# Altium PCB Plant.PcbDoc
Units mm, origin at the board's own origin, x right, y up, seen from the top; angles counter-clockwise.
Board outline 56.78 x 58.72 mm, 2 copper layers (Top Layer, Bottom Layer); 52 components, 39 nets, 186 pads, 102 vias.
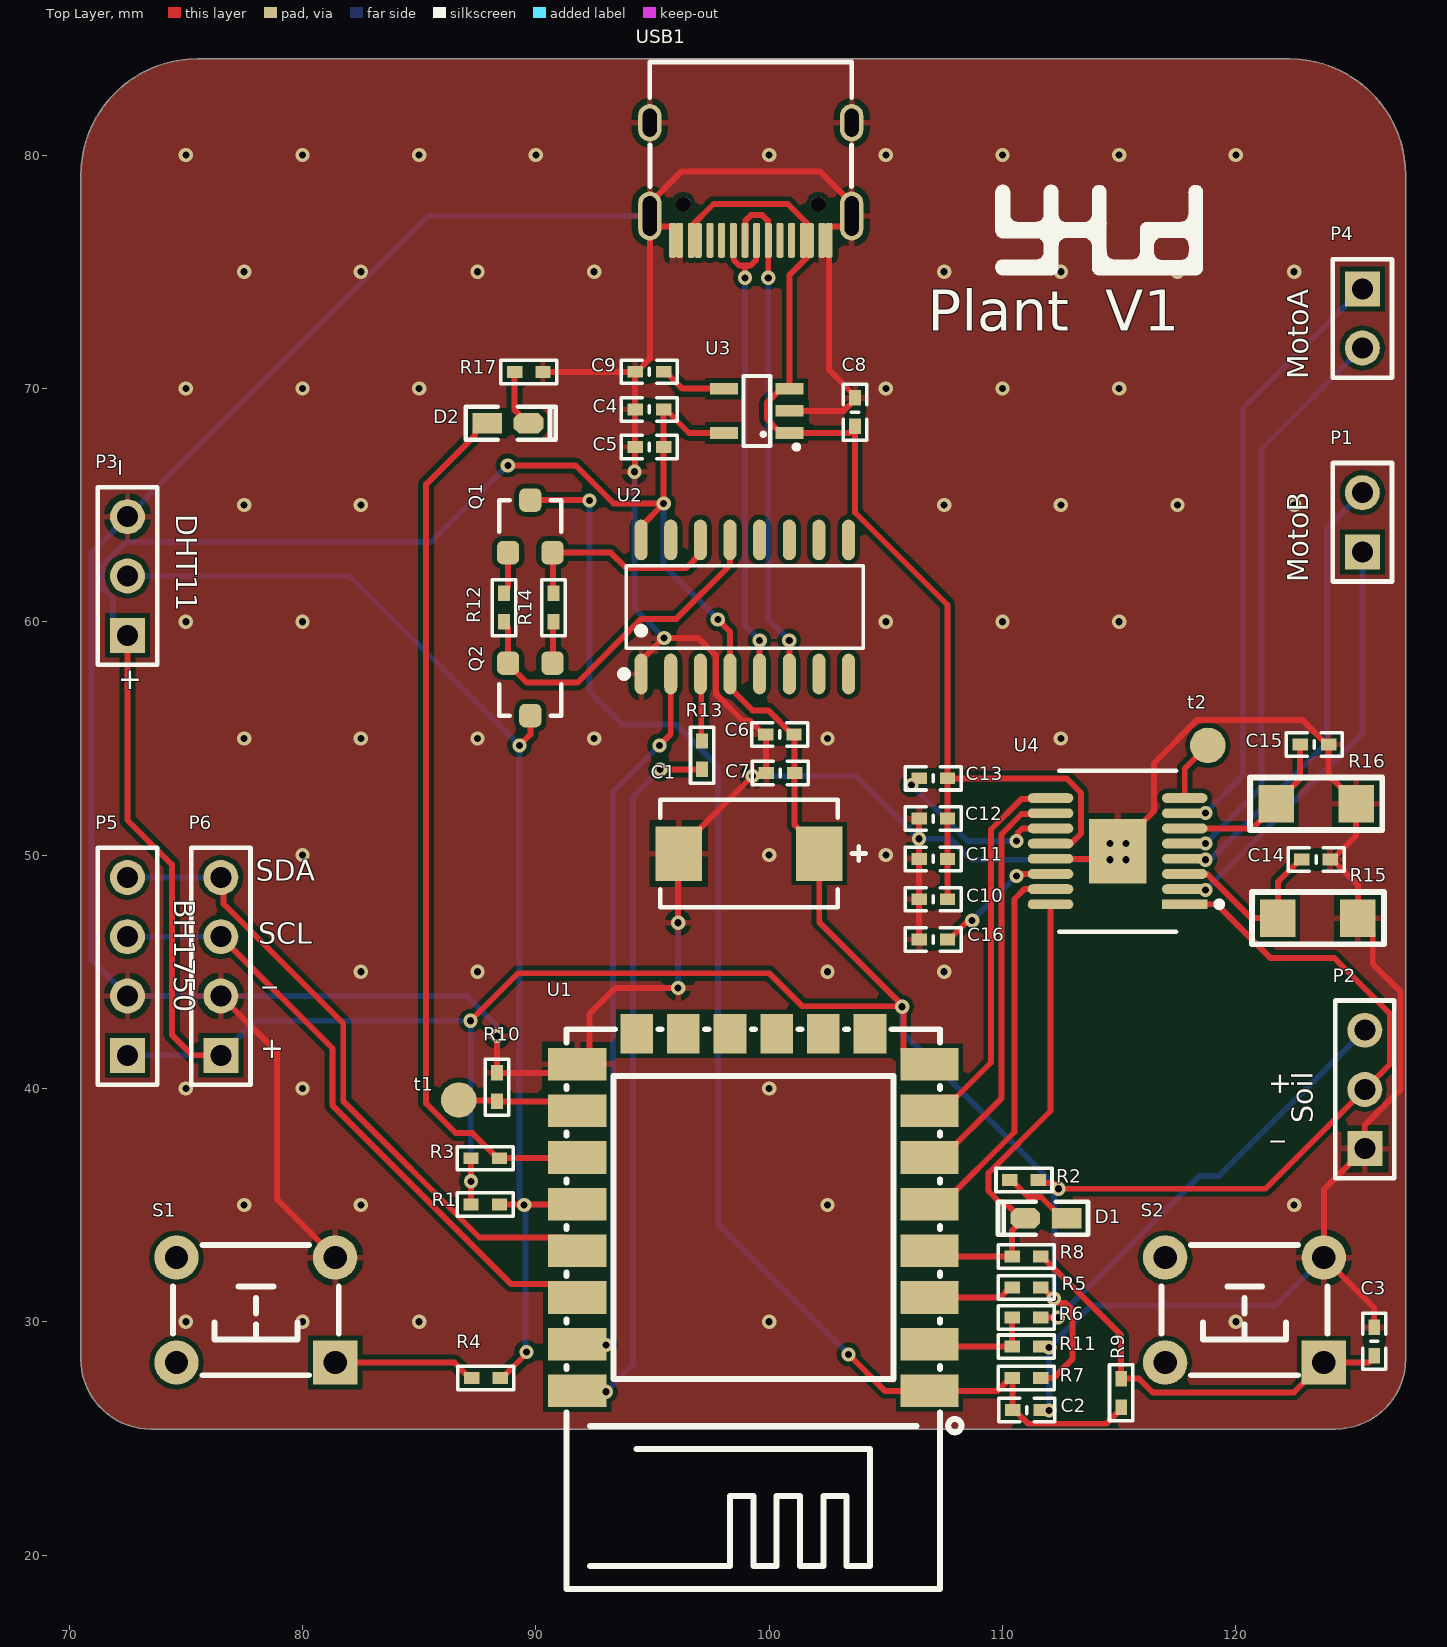
[diagram p0: Top Layer view]
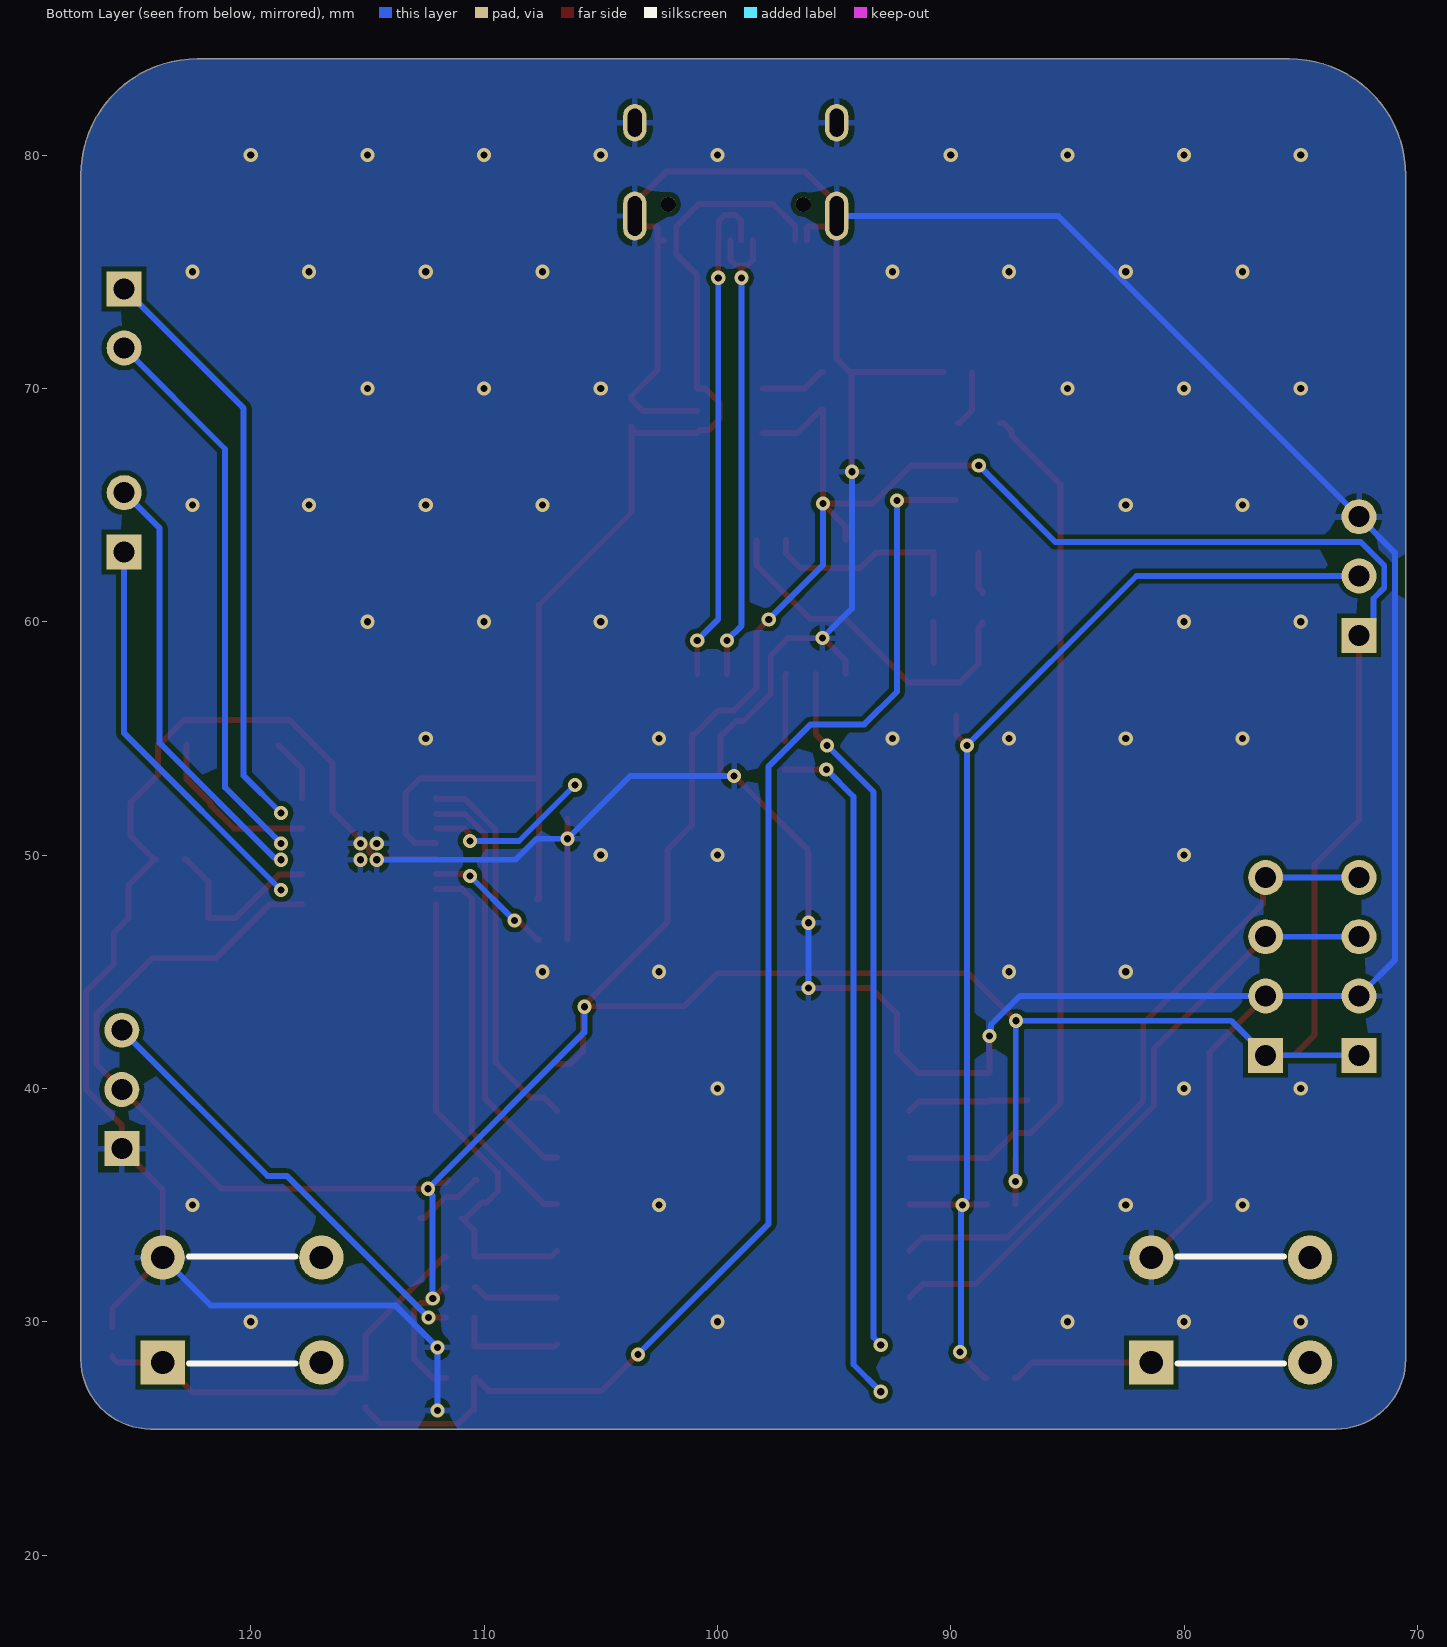
[diagram p1: Bottom Layer view, seen from below]
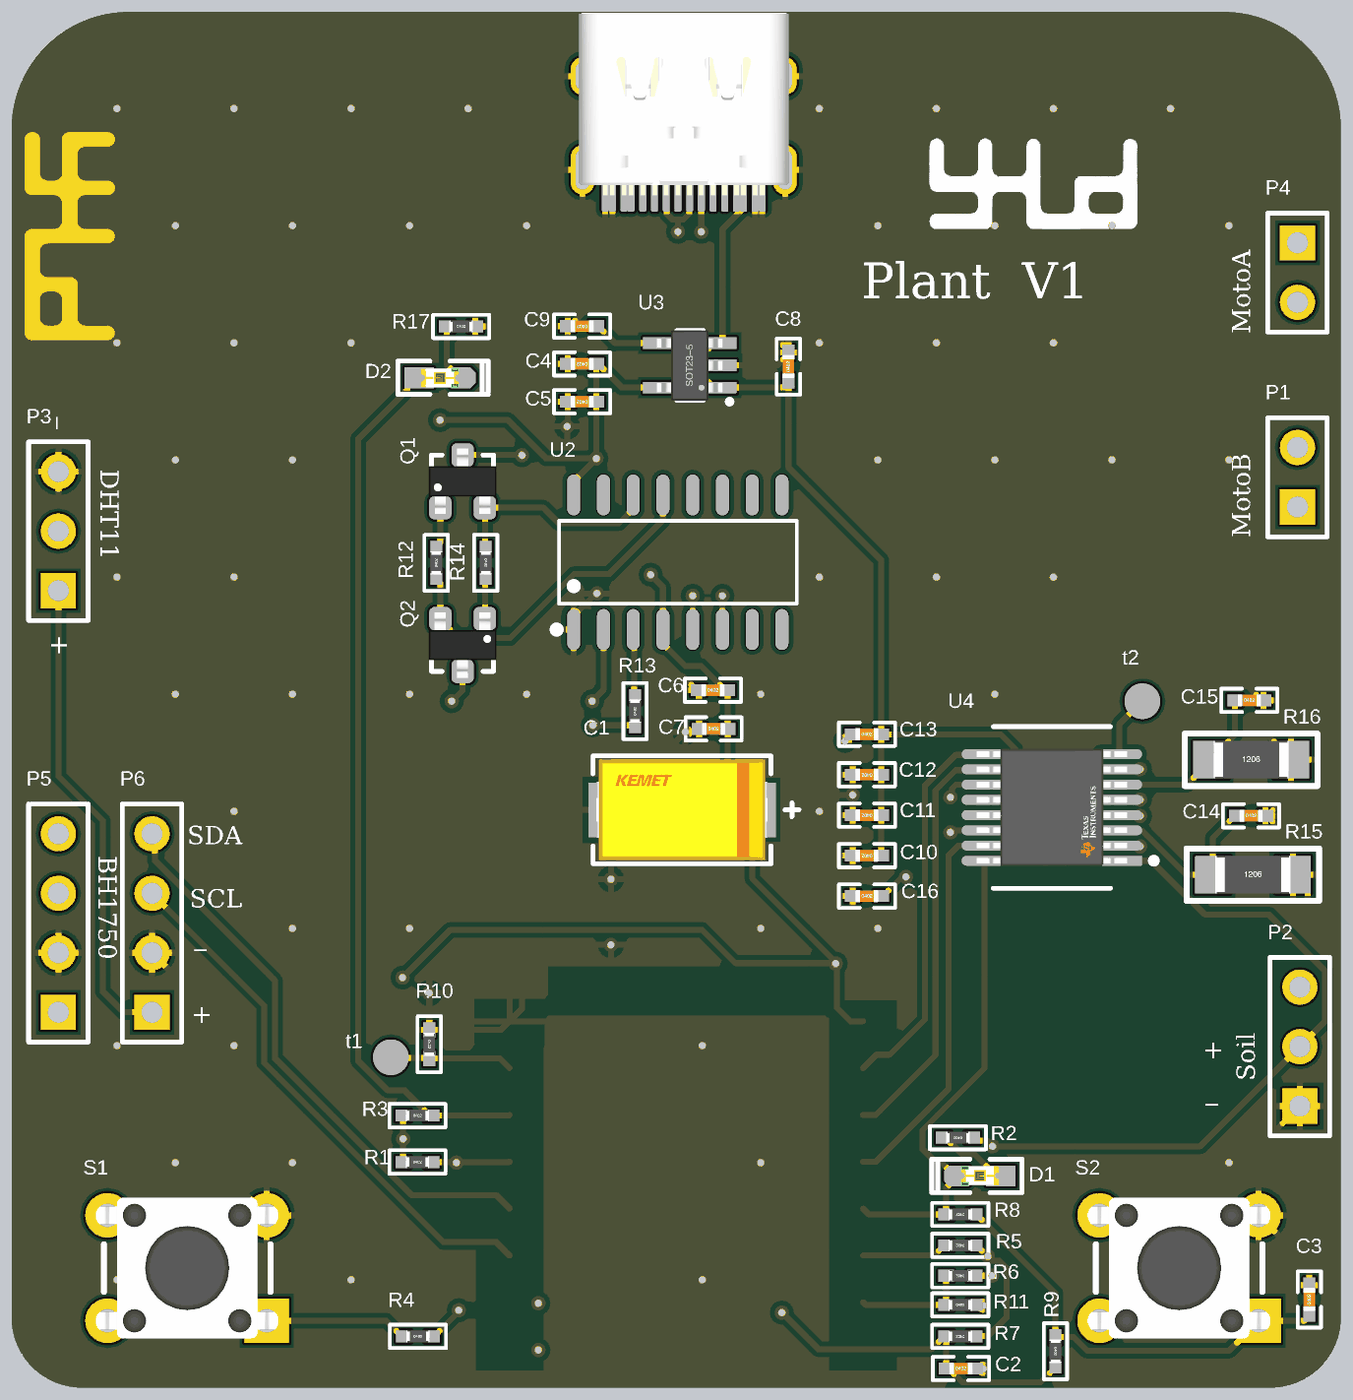
[diagram p2: 3D render of the assembled board from above, using the file's embedded part models]

## Layer stack, top to bottom
Top Solder: solder mask 0.0102, Solder Resist, Dk 3.5
Top Layer: signal copper 0.0356
Dielectric 1: dielectric 0.32, FR-4, Dk 4.8
Bottom Layer: signal copper 0.0356
Bottom Solder: solder mask 0.0102, Solder Resist, Dk 3.5

## Board outline
70.5,28.4 ccw(c73.5,28.4) 73.5,25.4 90.424,25.4 124.279,25.4 ccw(c124.279,28.4) 127.279,28.4 127.281,28.402 127.281,79.125 ccw(c122.281,79.125) 122.281,84.125 96.215,84.125 75.5,84.125 ccw(c75.5,79.125) 70.5,79.125

## Design rules (kind name [scope] priority, off if disabled: settings)
Clearance [All] p1: gap=0.203 ignorepadtopadclearanceinfootprint=TRUE
PolygonConnect [All] p1: connectstyle=Relief reliefconductorwidth=0.254 reliefentries=4 polygonreliefangle="90 Angle" airgapwidth=0.254
RoutingVias [All] p1: holewidth=0.711 width=1.27 viastyle="Through Hole" minholewidth=0.711 minwidth=1.27 maxholewidth=0.711 maxwidth=1.27
SolderMaskExpansion [All] p1: expansion=0.102 istentingtop=FALSE
Width [All] p1: maxlimit=0.254 minlimit=0.254 preferedwidth=0.254
30 further rules are at their usual default settings.

## Components (designator, comment, footprint, x,y, rotation, side; value= is the part's Value field where it differs from the comment)
C1 "100uF" FP-T495D107K016ATE125-MFG 99.136,50.063 r0 top
C2 "Cap" "C 0402_M" 111.049,26.213 r0 top value=470pF
C3 "Cap" "C 0402_M" 125.933,29.159 r90 top value=0.1uF
C4 "Cap" "C 0402_M" 94.869,69.101 r180 top value=0.1uF
C5 "Cap" "C 0402_M" 94.869,67.488 r180 top value=10uF
C6 "0402" "C 0402_M" 100.457,55.169 r0 top value=10uF
C7 "0402" "C 0402_M" 100.482,53.518 r0 top value=100nF
C8 "Cap" "C 0402_M" 103.683,68.986 r90 top value=1uF
C9 "Cap" "C 0402_M" 94.869,70.714 r180 top value=10nF
C10 "Cap" "C 0402_M" 107.036,48.108 r180 top value=100nF
C11 "Cap" "C 0402_M" 107.036,49.835 r180 top value=22uF
C12 "Cap" "C 0402_M" 107.036,51.562 r180 top value=22uF
C13 "Cap" "C 0402_M" 107.036,53.289 r0 top value=10nF
C14 "" "C 0402_M" 123.444,49.809 r0 top value=100nF
C15 "" "C 0402_M" 123.368,54.737 r0 top value=100nF
C16 "Cap" "C 0402_M" 107.036,46.38 r0 top value=4.7uF
D1 "LED0" "LED 0603R" 111.862,34.442 r180 top
D2 "LED0" "LED 0603R" 88.8,68.5 r0 top
P1 "Header 2" HDR1X2 125.425,62.992 r90 top
P2 "soil" HDR1X3 125.527,37.414 r90 top
P3 "DHT" HDR1X3 72.5,59.42 r90 top
P4 "Header 2" HDR1X2 125.425,74.27 r270 top
P5 "bh1750" HDR1X4 72.5,41.42 r90 top
P6 "bh1750" HDR1X4 76.5,41.42 r90 top (schematic designator P5)
Q1 "Y1 NPN SOT23-3" SMT_TRIODE_NPN 89.764,64.084 r0 top
Q2 "Y1 NPN SOT23-3" SMT_TRIODE_NPN 89.764,57.099 r180 top
R1 "0402" "R 0402_M" 87.833,35.027 r0 top value=10K
R2 "Res2" "R 0402_M" 110.922,36.068 r180 top value=470R
R3 "0402" "R 0402_M" 87.833,37.008 r0 top value=10K
R4 "Res2" "R 0402_M" 87.859,27.584 r0 top value=470R
R5 "0402" "R 0402_M" 111.023,31.471 r180 top value=10K
R6 "Res2" "R 0402_M" 111.023,30.175 r180 top value=220K
R7 "0402" "R 0402_M" 111.023,27.584 r180 top value=10K
R8 "Res2" "R 0402_M" 111.023,32.791 r180 top value=470R
R9 "Res2" "R 0402_M" 115.087,26.949 r270 top value=0R
R10 "0402" "R 0402_M" 88.341,40.056 r270 top value=10K
R11 "Res2" "R 0402_M" 111.023,28.931 r0 top value=100K
R12 "Res2" "R 0402_M" 88.639,60.604 r90 top value=12K
R13 "Res2" "R 0402_M" 97.13,54.28 r90 top value=200R
R14 "Res2" "R 0402_M" 90.754,60.604 r270 top value=12K
R15 "Res2" "R 1206_M" 123.52,47.295 r0 top value=0.25R
R16 "Res2" "R 1206_M" 123.444,52.2 r0 top value=0.25R
R17 "Res2" "R 0402_M" 89.7,70.7 r0 top value=200R
S1 "SW-PB" "TSW DIP-6*6*5" 78,30.5 r180 top
S2 "SW-PB" "TSW DIP-6*6*5" 120.371,30.5 r180 top
t1 "test" test 86.7,39.5 r0 top
t2 "test" test 118.8,54.7 r0 top
U1 "ESP8266" esp8266 107.258,18.598 r90 top
U2 "CH340C" CH340 93.789,57.776 r0 top
U3 "LP2992 3V3" SOT23-5N 99.466,69.037 r90 top
U4 "DRV8833PWPR" FP-PWP0016C-IPC_A 114.935,50.165 r180 top
USB1 "Type-C" Type-C-TOP 99.212,78.867 r90 top

## Footprints (in the part's own frame and the unit in brackets; to place one, negate y for a bottom-side part, rotate by r counter-clockwise, add the part's x,y. Pads: shape width x height; smd on the part's side, far side on the other; paste and mask are expansions set on the pad)
"C 0402_M" [mil] "无极性贴片电容"
  rect 26x20 smd: 1(-24,0) 2(24,0)
  silkscreen extent -47,-20 47,20, body extent -20,-10 20,10, height 21
CH340 [mil]
  oval 22x68.7 smd mask+2: 1(28.5,-0.65) 2(78.5,-0.65) 3(128.5,-0.65) 4(178.5,-0.65) 5(228.5,-0.65) 6(278.5,-0.65) 7(328.5,-0.65) 8(378.5,-0.65) 9(378.5,225.55) 10(328.5,225.55) 11(278.5,225.55) 12(228.5,225.55) 13(178.5,225.55) 14(128.5,225.55) 15(78.5,225.55) 16(28.5,225.55)
  silkscreen extent -6,-7 403,182, body extent 8,-10 402,230, height 67
esp8266 [mil]
  rect 55.1x98.4 smd mask+2: 1(332.3,15.15) 2(411,15.15) 3(489.8,15.15) 4(568.5,15.15) 5(647.3,15.15) 6(726,15.15) 7(804.7,15.15) 8(883.5,15.15) 9(883.5,609.65) 10(804.7,609.75) 11(726,609.75) 12(647.3,609.75) 13(568.5,609.65) 14(489.8,609.75) 15(411,609.75) 16(332.3,609.75)
  rect 66.9x55.1 smd mask+2: 17(934.7,115.65) 18(934.6,194.25) 19(934.7,272.95) 20(934.7,351.75) 21(934.7,430.45) 22(934.7,509.15)
  silkscreen extent -2,-39 942,627, body extent -1,-5 944,625, height 126
FP-PWP0016C-IPC_A [mm]
  rect 1.955x0.421 smd paste+0 mask+0: 1(-2.875,2.275)
  rrect100% 1.955x0.421 smd paste+0 mask+0: 2(-2.875,1.625) 3(-2.875,0.975) 4(-2.875,0.325) 5(-2.875,-0.325) 6(-2.875,-0.975) 7(-2.875,-1.625) 8(-2.875,-2.275) 9(2.875,-2.275) 10(2.875,-1.625) 11(2.875,-0.975) 12(2.875,-0.325) 13(2.875,0.325) 14(2.875,0.975) 15(2.875,1.625) 16(2.875,2.275)
  rect 2.46x2.77 smd paste-1000 mask+0: 17(0,0)
  silkscreen extent -4.48,-3.45 2.5,3.45, body extent -4.35,-3 4.35,3, height 0.25
FP-T495D107K016ATE125-MFG [mm]
  rect 1.99x2.33 smd paste+0 mask+0: 1(-3.01,0) 2(3.01,0)
  silkscreen extent -3.8,-2.3 5,2.3, body extent -4.11,-2.4 4.11,2.4, height 0.25
HDR1X2 [mm] "Connector; Header; 2 Position"
  rect 1.5x1.5 hole 0.9: 1(0,0)
  round 1.5 hole 0.9: 2(2.54,0)
  silkscreen extent -1.27,-1.27 3.81,1.27
HDR1X3 [mm] "Connector; Header; 3 Position"
  rect 1.5x1.5 hole 0.9: 1(0,0)
  round 1.5 hole 0.9: 2(2.54,0) 3(5.08,0)
  silkscreen extent -1.27,-1.27 6.35,1.27
HDR1X4 [mm] "Connector; Header; 4 Position"
  rect 1.5x1.5 hole 0.9: 1(0,0)
  round 1.5 hole 0.9: 2(2.54,0) 3(5.08,0) 4(7.62,0)
  silkscreen extent -1.27,-1.27 8.89,1.27
"LED 0603R" [mil] "红色0603LED                                           淘宝ID:黄晶宝石"
  rect 50x35 smd: 1(-35,0.26)
  oct 50x35 smd: 2(35,0.26)
  silkscreen extent -71,-28 81,28, body extent -31,-16 31,16, height 18
"R 0402_M" [mil] "1/16W贴片电阻"
  rect 26x20 smd: 1(-24,0) 2(24,0)
  silkscreen extent -47,-20 47,20, body extent -20,-10 20,10, height 12
"R 1206_M" [mil] "1/4W贴片电阻"
  rect 60x62.99 smd: 1(-67.5,0) 2(67.5,0)
  silkscreen extent -112,-44 112,44, body extent -63,-31 63,32, height 22
SMT_TRIODE_NPN [mm]
  rrect50% 0.95x1 smd: 1(-0.95,-1.125) 2(0.95,-1.125) 3(0,1.125)
  silkscreen extent -1.33,-0.22 1.32,1.13, body extent -1.45,-1.4 1.45,1.4, height 1.3
SOT23-5N [mm] "3x1.6x1.1mm(长宽高)"
  rect 0.5x1.2 smd: 1(-0.95,-1.4) 2(0,-1.4) 3(0.95,-1.4) 4(0.95,1.4) 5(-0.95,1.4)
  silkscreen extent -1.63,-1.78 1.5,0.56, body extent -1.5,-1.4 1.5,1.4, height 1.15
test [mil]
  round 60 smd: 1(0,0)
"TSW DIP-6*6*5" [mm] "6*6*5mm"
  rect 1.9x1.9 hole 1: 1(-3.4,2.25)
  round 1.9 hole 1: 2(-3.4,-2.25) 3(3.4,-2.25) 4(3.4,2.25)
  silkscreen extent -3.56,-2.79 3.56,2.79, body extent -4.11,-3 4.11,3, height 4.95
Type-C-TOP [mm]
  round 0.65 hole 0.65: 0(-0.98,2.89) 0(-0.98,-2.89)
  oval 1.6x1 hole 0.6 slot 1.2 at 0 deg: 1(2.52,4.325) 2(2.52,-4.325)
  oval 2.1x1 hole 0.6 slot 1.7 at 0 deg: 3(-1.48,-4.325) 4(-1.48,4.325)
  rrect50% 1.5x0.3 smd: A1(-2.52,-3.35) A4(-2.52,-2.55) A5(-2.52,-1.25) A6(-2.52,-0.25) A7(-2.52,0.25) A8(-2.52,1.25) A9(-2.52,2.55) A12(-2.52,3.35) B1(-2.52,3.05) B4(-2.52,2.25) B5(-2.52,1.75) B6(-2.52,0.75) B7(-2.52,-0.75) B8(-2.52,-1.75) B9(-2.52,-2.25) B12(-2.52,-3.05)
  silkscreen extent -0.22,-4.33 5.12,4.33, body extent -2.57,-4.48 5.18,4.48, height 3.26

## Part data
C1: library part CMP-2000-07207-2, "CAP TANT 100UF 10% 16V 2917", Case Code (Imperial)=2917, Case Code (Metric)=7343, Dielectric Material=Tantalum, ESR (Equivalent Series Resistance)=125mR, Max Operating Temperature=125°C, Min Operating Temperature=-55°C, Package Quantity=1, Tolerance=10%, Voltage=16V, Capacitance=100uF, Case/Package=2917, Construction=Flat, Depth=4.3mm, Dissipation Factor=8%, Failure Rate=0.001%, Features="General Purpose", Height=2.8mm, Height - Seated (Max)=0.122inch, Length=7.3mm, Life (Hours)=2000Hour, Mount="Surface Mount", Number of Pins=2, Packaging="Tape and Reel", Polarity=Polar, Radiation Hardening=No, REACH SVHC="No SVHC", RoHS Compliant=Yes, Series=T495, Termination=SMD/SMT, Voltage Rating=16V, Voltage Rating (DC)=16V, Weight=0.023634oz, Width=0.169inch
C2 C3 C4 C5 C6 C7 C8 C9 C10 C11 C12 C13 C14 C15 C16: library part "Cap Semi", "Capacitor (Semiconductor SIM Model)", LatestRevisionDate=29-May-2009, LatestRevisionNote="IPC-7351 Footprint Added.", PackageDescription="Chip Capacitor", PackageReference=C1206, Published=8-Jun-2000, Publisher="Altium Limited"
D1 D2: "Typical INFRARED GaAs LED", LatestRevisionDate=08-Jul-2005, LatestRevisionNote="Mech Layer 1 removed.", PackageDescription="LED; 2 Leads", PackageReference=LED-0, Published=8-Jun-2000, Publisher="Altium Limited"
P1 P4: "Header, 2-Pin", LatestRevisionDate=17-Jul-2002, LatestRevisionNote="Re-released for DXP Platform.", Publisher="Altium Limited"
P2 P3: library part "Header 3", "Header, 3-Pin", LatestRevisionDate=17-Jul-2002, LatestRevisionNote="Re-released for DXP Platform.", Publisher="Altium Limited"
P5 P6: library part "Header 4", "Header, 4-Pin", LatestRevisionDate=17-Jul-2002, LatestRevisionNote="Re-released for DXP Platform.", Publisher="Altium Limited"
Q1 Q2: library part S8050
R1 R3 R5 R7 R10: library part Res2, "Resistor", LatestRevisionDate=17-Jul-2002, LatestRevisionNote="Re-released for DXP Platform.", PackageDescription="Axial Device, Thru-Hole; 2 Leads; 0.4 in Pin Spacing", PackageReference=AXIAL-0.4, Published=8-Jun-2000, Publisher="Altium Limited"
R2 R4 R6 R8 R9 R11 R12 R13 R14 R15 R16 R17: "Resistor", LatestRevisionDate=17-Jul-2002, LatestRevisionNote="Re-released for DXP Platform.", PackageDescription="Axial Device, Thru-Hole; 2 Leads; 0.4 in Pin Spacing", PackageReference=AXIAL-0.4, Published=8-Jun-2000, Publisher="Altium Limited"
S1 S2: "Switch", LatestRevisionDate=17-Jul-2002, LatestRevisionNote="Re-released for DXP Platform.", PackageDescription="Switch; 2 Leads", PackageReference=SPST-2, Published=24-Mar-1999, Publisher="Altium Limited"
U3: library part LP2992, "LDO"
U4: library part CMP-1529-00004-3, "IC MOTOR DRIVER PAR 16HTSSOP", Case/Package=HTSSOP, Max Operating Temperature=85°C, Max Output Current=2A, Max Supply Voltage=10.8V, Min Operating Temperature=-40°C, Min Supply Voltage=2.7V, Nominal Supply Current=3mA, Output Current=1.5A, Package Quantity=2000, Fault Protection="Over Temperature", Interface=PWM, Lead Free="Lead Free", Number of Outputs=2, Number of Pins=16, Output Current per Channel=1.5A, Packaging="Tape and Reel", Radiation Hardening=No, REACH SVHC="No SVHC", RMS Current (Irms)=1.5A, RoHS Compliant=Yes, Series=DRV8833, Supply Current=3mA, Technology=NMOS
USB1: library part USB-Type-C-TOP

## Via types
v1: diameter 0.61, hole 0.305, Top Layer to Bottom Layer, tented both sides, 59 vias
v2: diameter 0.61/0.61 (per signal layer), hole 0.305, Top Layer to Bottom Layer, tented both sides, 43 vias

## Nets (pads, with @x,y where several pads share a name; then routed paths per layer and width w, separated by ;. In a path a pad name is that pad's centre, name@x,y a point inside that pad or via, vN(x,y) a via of type N, cw(c..) or ccw(c..) an arc to the next point about the centre after c; other vN are vias at no path point)
3V3: C1.2 C4.1 C5.1 C6.2 C7.2 P2.2 P3.1 P5.1 P6.1 R1.1 R2.1 R3.1 R5.1 R7.1 U1.8 U2.4 U2.16 U3.5 U4.1 | length 184.2
  Top Layer w0.254: P3.1 72.5,51.498 74.4,49.598 74.4,42.3 75.28,41.42 P6.1 ; v2(87.2,42.9) 89.235,44.935 100.003,44.935 101.419,43.519 105.681,43.519 v2(105.7,43.5) ; R1.1 v2(87.224,36.017) R3.1 ; v2(88.8,66.7) 91.698,66.7 93.335,65.063 v2(95.479,65.063) ; U2.16 94.513,64.098 v2(95.479,65.063) ; v2(97.8,60.1) 98.323,59.577 U2.4 98.323,57.167 99.288,56.202 99.957,56.202 100.99,55.169 C6.2 101.079,55.156 101.079,53.53 C7.2 101.092,51.288 102.146,50.233 C1.2 102.146,47.121 105.75,43.516 105.75,41.612 106.323,41.039 U1.8 ; U3.5 96.568,68.087 95.555,69.101 C4.1 C5.1 v2(95.479,65.063) ; R2.1 111.658,35.941 112.159,35.941 v2(112.4,35.7) 121.273,35.7 P2.2 126.607,41.034 126.607,43.193 124.205,45.595 121.477,45.595 119.182,47.89 U4.1 ; R7.1 111.644,27.595 112.195,27.595 113.01,28.41 113.01,30.49 112.69,30.81 112.37,30.81 111.709,31.471 R5.1
  Bottom Layer w0.254: P5.1 P6.1 77.98,42.9 v2(87.2,42.9) 87.212,42.888 87.212,36.029 v2(87.224,36.017) ; P3.1 71.877,60.043 71.877,60.997 71.42,61.454 71.42,62.407 72.432,63.42 85.52,63.42 v2(88.8,66.7) ; v2(95.479,65.063) 95.479,62.421 v2(97.8,60.1) ; v2(105.7,43.5) 105.7,42.4 v2(112.4,35.7) 112.4,35.604 112.2,35.404 v2(112.2,31)
A_IN1: D1.2 R8.2 U1.4 U4.16 | length 20.8
  Top Layer w0.254: U1.4 107.119,32.791 R8.2 110.414,33.92 110.93,34.436 D1.2 ; D1.2@110.782,34.436 110.115,35.103 109.897,35.103 109.4,35.6 109.4,36.37 112.06,39.029 U4.16
A_IN2: U1.5 U4.15 | length 16.6
  Top Layer w0.254: U1.5 107.423,35.039 110.514,38.131 110.514,48.114 110.94,48.54 U4.15
ADC: R6.2 R11.1 U1.2 | length 4.8
  Top Layer w0.254: U1.2 106.98,28.931 R11.1 R6.2
ADC_EK: P2.3 R6.1 | length 19
  Top Layer w0.254: R6.1 v2(112.375,30.175)
  Bottom Layer w0.254: v2(112.375,30.175) 118.45,36.25 119.282,36.25 P2.3
B_IN1: U1.7 U4.9 | length 16.6
  Top Layer w0.254: U1.7 107.446,39.61 108.01,39.61 109.508,41.108 109.508,51.094 110.822,52.408 112.028,52.408 U4.9
B_IN2: U1.6 U4.10 | length 17.9
  Top Layer w0.254: U1.6 107.423,37.038 109.965,39.58 109.965,50.904 110.819,51.758 112.028,51.758 U4.10
BH-SCL: P5.3 P6.3 U1.14 | length 27.1
  Top Layer w0.254: P6.3 81.29,41.71 81.29,39.262 88.941,31.612 91.197,31.612 U1.14
  Bottom Layer w0.254: P5.3 P6.3
BH-SDA: P5.4 P6.4 U1.13 | length 28.4
  Top Layer w0.254: P6.4 76.619,48.921 76.619,47.909 81.748,42.78 81.748,39.452 87.588,33.611 91.2,33.611 U1.13
  Bottom Layer w0.254: P5.4 P6.4
DHT_IN: P3.2 Q2.3 R1.2 R4.2 U1.12 | length 52.4
  Top Layer w0.254: R1.2 91.757,35.027 U1.12 ; R4.2 88.544,27.584 89.6,28.64 v2(89.6,28.7) ; v2(89.3,54.7) 89.764,55.164 Q2.3
  Bottom Layer w0.254: P3.2 82.04,61.96 v2(89.3,54.7) 89.3,35.296 89.5,35.096 v2(89.5,35) 89.55,34.95 89.55,28.75 v2(89.6,28.7)
DTR: Q2.2 R12.1 U2.13 | length 14.9
  Top Layer w0.254: R12.1 88.639,59.919 88.814,59.744 88.814,58.186 89.606,57.394 91.794,57.394 94.524,60.124 96.024,60.124 98.323,62.423 U2.13
EN: R5.2 U1.3 | length 3.7
  Top Layer w0.254: U1.3 109.906,31.039 110.338,31.471 R5.2
GND: C1.1 C2.2 C3.2 C4.2 C5.2 C6.1 C7.1 C8.2 C9.2 C10.2 C11.2 C12.2 C14.2 C15.2 C16.1 P2.1 P3.3 P5.2 P6.2 R10.1 R11.2 R15.2 R16.2 R17.2 S1.2 S2.2 U1.9 U2.1 U3.2 U4.13 U4.17 USB1.1 USB1.2 USB1.3 USB1.4 USB1.A1 USB1.A12 USB1.B1 USB1.B12 | length 244.9
  Top Layer w0.254: P6.2 78.912,41.548 78.912,35.238 S1.2 ; v2@88.4,42.3 v2(88.341,42.241) R10.1 91.399,40.665 U1.9 92.3,41.566 92.3,43.2 93.4,44.3 v2(96.1,44.3) ; R17.2 90.316,70.707 94.253,70.707 C9.2 ; v2@94.2,66.4 v2(94.23,66.43) 94.259,66.459 C5.2 C4.2 C9.2 ; U2.1 94.513,58.353 95.461,59.3 v2(95.5,59.3) 96.968,59.3 97.714,58.554 97.714,56.914 98.883,55.745 99.195,55.745 99.771,55.169 C6.1 99.86,55.156 99.86,53.53 99.72,53.391 v2(99.284,53.391) 96.126,50.233 C1.1 96.1,50.037 v2@96.1,47.147 ; USB1.B1 96.162,76.907 96.139,76.93 95.232,76.93 USB1.4@94.887,77.274 ; U3.2 103.2,69.037 103.683,69.52 C8.2 103.683,69.672 102.562,70.793 USB1.A1 ; USB1.B12 USB1.A1 ; C16.1 C10.2 C11.2 v2(106.426,50.698) C12.2 ; U4.13 114.61,49.84 U4.17 114.935,50.32 116.502,51.887 116.502,53.947 118.348,55.792 122.846,55.792 123.901,54.737 C15.2 123.977,53.419 125.158,52.238 R16.2 125.158,50.838 C14.2@124.13,49.809 ; C14.2 C14.2@124.13,49.809 ; C3.2 125.933,30.587 S2.2 123.771,35.658 P2.1 125.527,38.427 127.064,39.964 127.064,44.136 125.87,45.33 125.87,46.66 R15.2 125.235,48.704 C14.2@124.13,49.809 ; C9.2 94.336,70.714 94.887,71.265 USB1.4@94.887,77.274 ; USB1.4@94.887,77.274 USB1.4 94.887,77.937 96.25,79.3 102.174,79.3 103.537,77.937 USB1.3 103.537,77.274 103.193,76.93 102.585,76.93 102.562,76.907 USB1.A1
  Bottom Layer w0.254: v2(88.341,42.241) 88.273,42.309 88.273,42.725 87.038,43.96 P6.2 P5.2 70.963,45.497 70.963,62.963 P3.3 85.387,77.387 USB1.4 ; v2(94.23,66.43) 94.23,60.57 v2(95.5,59.3) ; v2(96.1,44.3) v2(96.1,47.1) ; v2(99.284,53.391) 103.734,53.391 v2(106.426,50.698) 107.755,50.698 108.653,49.8 v2(114.6,49.8) ; v2(112,26.2) v2(112,28.9) 113.802,30.702 121.722,30.702 S2.2
  other v1: 75,30 80,30 85,30 100,30 120,30 77.5,35 82.5,35 102.5,35 122.5,35 75,40 80,40 100,40 82.5,45 87.5,45 102.5,45 107.5,45 80,50 100,50 105,50 77.5,55 82.5,55 87.5,55 92.5,55 102.5,55 112.5,55 75,60 80,60 105,60 110,60 115,60 77.5,65 82.5,65 107.5,65 112.5,65 117.5,65 122.5,65 75,70 80,70 85,70 105,70 110,70 115,70 77.5,75 82.5,75 87.5,75 92.5,75 107.5,75 112.5,75 117.5,75 122.5,75 75,80 80,80 85,80 90,80 100,80 105,80 110,80 115,80 120,80
  other v2: 115.3,49.8 114.6,50.5 115.3,50.5
GPIO2: D2.1 R3.2 U1.11 | length 37.8
  Top Layer w0.254: D2.1 87.721,68.507 87.403,68.189 87.403,67.999 85.3,65.895 85.3,39.355 86.564,38.091 87.283,38.091 88.367,37.008 R3.2 91.74,37.008 U1.11
GPIO15: R10.2 t1.1 U1.10 | length 5.3
  Top Layer w0.254: t1.1 86.727,39.473 88.314,39.473 R10.2 91.361,39.446 U1.10
NetC3_1: C3.1 R8.1 R9.1 S2.1 | length 18.5
  Top Layer w0.254: R8.1 111.709,32.791 113.043,31.457 113.051,31.457 115.087,29.421 R9.1 115.851,27.559 116.44,26.97 122.49,26.97 S2.1 125.71,28.25 125.933,28.473 C3.1
NetC9_1: C9.1 U3.4 | length 2.9
  Top Layer w0.254: C9.1 95.555,70.714 96.281,69.987 U3.4
NetC13_1: C13.1 U4.11 | length 7.3
  Top Layer w0.254: v2(110.6,50.6) 110.668,50.668 110.668,50.961 110.847,51.14 U4.11
  Bottom Layer w0.254: v2(106.1,53) 108.5,50.6 v2(110.6,50.6)
NetC14_1: C14.1 R15.1 U4.3 | length 7.8
  Top Layer w0.254: U4.3 117.842,49.158 118.799,49.158 120.663,47.295 R15.1 121.806,48.857 122.758,49.809 C14.1
NetC15_1: C15.1 R16.1 U4.6 | length 7.3
  Top Layer w0.254: U4.6 120.707,51.14 121.73,52.162 R16.1 121.73,52.238 122.758,53.267 C15.1
NetC16_2: C16.2 U4.14 | length 5.6
  Top Layer w0.254: C16.2 107.721,46.38 108.473,47.132 108.632,47.132 v2(108.7,47.2) ; v2(110.6,49.1) 110.69,49.19 U4.14
  Bottom Layer w0.254: v2(108.7,47.2) v2(110.6,49.1)
NetD1_1: D1.1 R2.2 | length 3.1
  Top Layer w0.254: R2.2 110.388,36.068 111.109,35.347 111.649,35.347 112.56,34.436 D1.1
NetD2_2: D2.2 R17.1 | length 2.5
  Top Layer w0.254: R17.1 89.09,69.063 89.646,68.507 D2.2
NetP1_1: P1.1 U4.2 | length 17.3
  Bottom Layer w0.254: v2(118.7,48.5) 125.425,55.225 P1.1
NetP1_2: P1.2 U4.4 | length 18.6
  Bottom Layer w0.254: v2(118.7,49.8) 118.768,49.868 118.966,49.868 123.9,54.802 123.9,64.007 P1.2
NetP4_1: P4.1 U4.7 | length 25.3
  Bottom Layer w0.254: v2(118.7,51.8) 120.3,53.4 120.3,69.144 P4.1
NetP4_2: P4.2 U4.5 | length 24
  Bottom Layer w0.254: v2(118.7,50.5) 121.1,52.9 121.1,67.404 P4.2
NetQ1_1: Q1.1 R12.2 | length 1.8
  Top Layer w0.254: R12.2 88.639,61.29 88.814,61.465 Q1.1
NetQ2_1: Q2.1 R14.2 | length 1.8
  Top Layer w0.254: Q2.1 90.734,58.244 90.734,59.975 R14.2
NetR4_1: R4.1 S1.1 | length 6.1
  Top Layer w0.254: S1.1 86.507,28.25 87.173,27.584 R4.1
NetR13_2: R13.2 U2.3 | length 2.9
  Top Layer w0.254: U2.3 97.091,57.721 97.091,54.927 R13.2
Nett2_1: t2.1 U4.8 | length 2.7
  Top Layer w0.254: U4.8 117.81,53.71 t2.1
nRST: C2.1 Q1.3 R7.2 R9.2 U1.1 | length 59.6
  Top Layer w0.254: Q1.3 92.291,65.209 v2(92.3,65.2) ; v2(103.4,28.6) 104.962,27.038 U1.1 109.791,27.038 110.338,27.584 R7.2 110.426,27.572 110.426,26.226 C2.1 110.515,26.213 111.1,25.629 114.452,25.629 115.087,26.264 R9.2
  Bottom Layer w0.254: v2(92.3,65.2) 92.3,57 93.7,55.6 96,55.6 97.8,53.8 97.8,34.2 v2(103.4,28.6)
RTS: Q1.2 R14.1 U2.14 | length 9.2
  Top Layer w0.254: R14.1 90.734,61.234 90.734,62.939 Q1.2 93.216,62.959 93.873,62.302 96.444,62.302 97.053,62.912 U2.14
RXD: U1.15 U2.2 | length 29.9
  Top Layer w0.254: v2(95.3,54.7) 95.783,55.183 U2.2
  Bottom Layer w0.254: v2(93,29) 93,29.027 93.3,29.327 93.3,52.7 v2(95.3,54.7)
TXD: R13.1 U1.16 | length 29.4
  Top Layer w0.254: v2(95.33,53.67) R13.1
  Bottom Layer w0.254: v2(93,27) 94.165,28.165 94.165,52.505 v2(95.33,53.67)
USB_D+: U2.5 USB1.A6 USB1.B6 | length 20.6
  Top Layer w0.254: USB1.B6 98.482,76.327 98.482,75.504 98.72,75.267 98.962,75.267 ; v2(98.962,74.738) 98.962,75.267 ; USB1.A6 99.443,76.327 99.443,75.504 99.205,75.267 98.962,75.267 ; U2.5 v2(99.593,59.2)
  Bottom Layer w0.254: v2(98.962,74.738) 98.962,59.831 v2(99.593,59.2)
USB_D-: U2.6 USB1.A7 USB1.B7 | length 21.8
  Top Layer w0.254: USB1.A7 98.982,76.367 98.982,77.19 99.22,77.427 99.705,77.427 99.943,77.19 99.943,76.367 USB1.B7 v2(99.962,74.738) ; U2.6 v2(100.863,59.2)
  Bottom Layer w0.254: v2(99.962,74.738) 99.962,60.101 v2(100.863,59.2)
VDD_5V: C8.1 C10.1 C11.1 C12.1 C13.2 U3.1 U3.3 U4.12 USB1.A4 USB1.A9 USB1.B4 USB1.B9 | length 51.1
  Top Layer w0.254: USB1.A9 96.662,76.947 97.615,77.9 100.8,77.9 101.73,76.97 101.739,76.97 101.762,76.947 USB1.A4 101.762,75.747 100.866,74.851 U3.3 100.516,69.987 100.147,69.617 100.13,69.617 99.9,69.388 99.9,68.687 100.376,68.21 100.743,68.21 U3.1 103.469,68.087 C8.1@103.683,68.301 ; C8.1 C8.1@103.683,68.301 ; C10.1@107.721,48.108 C10.1 C11.1 C12.1 C13.2 ; U4.12 112.092,50.522 112.973,50.522 113.368,50.916 113.368,52.664 112.742,53.289 C13.2 ; C8.1@103.683,68.301 103.683,64.681 107.645,60.718 C13.2
pads on no net: S1.3 S1.4 S2.3 S2.4 U1.17 U1.18 U1.19 U1.20 U1.21 U1.22 U2.7 U2.8 U2.9 U2.10 U2.11 U2.12 U2.15 USB1.0 USB1.A5 USB1.A8 USB1.B5 USB1.B8

## Polygon pours and split planes (outlines as drawn)
GND on Top Layer "GND_L01_P001" (solid, pour order 1): 70.5,28.4 ccw(c73.5,28.4) 73.5,25.4 90.424,25.4 124.279,25.4 ccw(c124.279,28.4) 127.279,28.4 127.281,28.402 127.281,79.125 ccw(c122.281,79.125) 122.281,84.125 96.215,84.125 75.5,84.125 ccw(c75.5,79.125) 70.5,79.125
GND on Bottom Layer "GND_L02_P002" (solid, pour order 2): 70.5,28.4 ccw(c73.5,28.4) 73.5,25.4 90.424,25.4 124.279,25.4 ccw(c124.279,28.4) 127.279,28.4 127.281,28.402 127.281,79.125 ccw(c122.281,79.125) 122.281,84.125 96.215,84.125 75.5,84.125 ccw(c75.5,79.125) 70.5,79.125

## Silkscreen, mask and mechanical layers (free items; w line width, h text height)
Top Overlay:
  region: 1700 vertices and 1 holes, not listed, extent 109.701,74.855 118.59,78.725
  text "Plant  V1" at 106.8,71.9 h3
  text "MotoA" at 123.4,70.4 h1.52 r90
  text "_" at 72.257,66.3 h1.52 r90
  text "DHT11" at 74.3,64.6 h1.52 r270
  text "MotoB" at 123.4,61.7 h1.52 r90
  text "+" at 72.1,56.8 h1.52
  text "SDA" at 78,48.6 h1.52
  text "BH1750" at 74.213,48.1 h1.52 r270
  text "SCL" at 78.1,45.9 h1.52
  text "_" at 78.3,44.243 h1.52
  text "+" at 78.2,41 h1.52
  text "+" at 121.4,39.5 h1.52
  text "Soil" at 123.6,38.5 h1.52 r90
  text "_" at 121.5,37.643 h1.52
Top Solder:
  region: 1700 vertices and 1 holes, not listed, extent 71.055,70.11 74.925,78.999
Mechanical 1:
  lines w0.254: 127.279,28.4 cw(c124.279,28.4) 124.279,25.4 90.424,25.4 73.5,25.4 cw(c73.5,28.4) 70.5,28.4 70.5,79.125 cw(c75.5,79.125) 75.5,84.125 96.215,84.125 122.281,84.125 cw(c122.281,79.125) 127.281,79.125 127.281,28.402 ; 127.279,29 127.279,29